# Altium PCB CL-HC-M-V2.1gerber.PcbDoc (part 13 of 18) (continued)
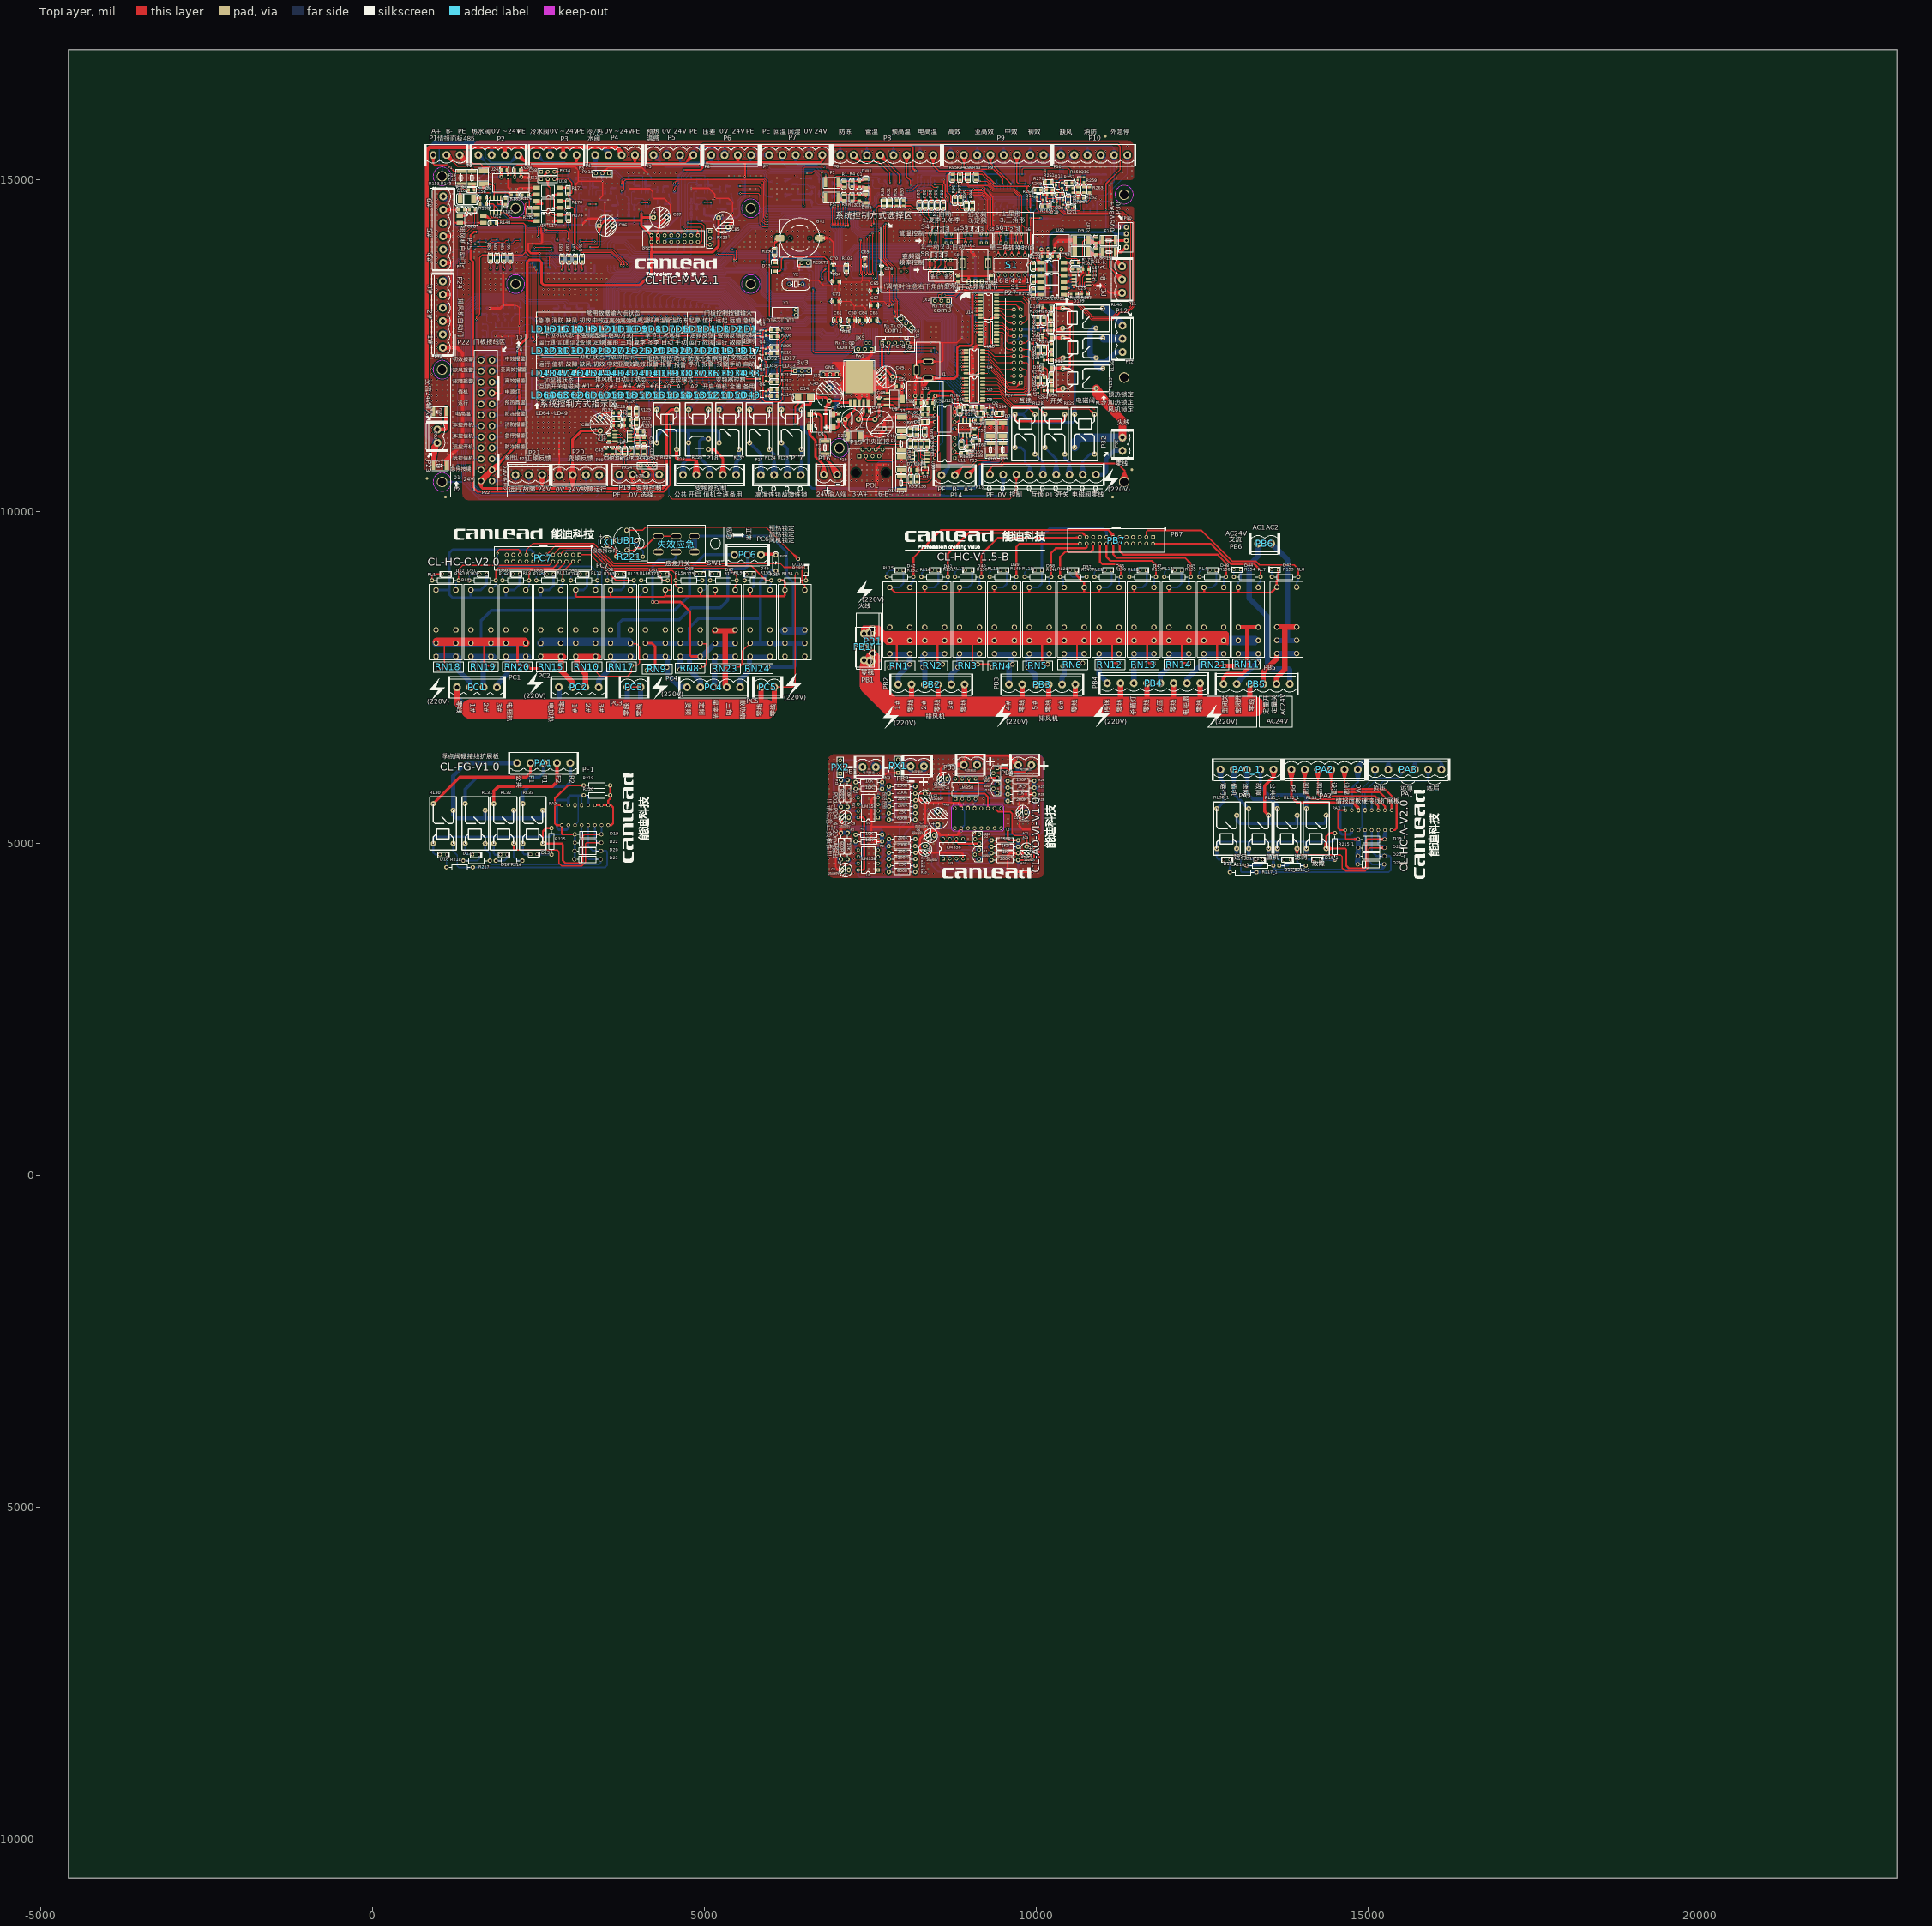
[diagram p0: TopLayer view]
## Nets (pads, with @x,y where several pads share a name; then routed paths per layer and width w, separated by ;. In a path a pad name is that pad's centre, name@x,y a point inside that pad or via, vN(x,y) a via of type N, cw(c..) or ccw(c..) an arc to the next point about the centre after c; other vN are vias at no path point) (continued)
NetC34_1: C34.1 R132.2 R135.1 U6.6 | length 2051.5
  TopLayer w15: v1(5004.76,14659.71) v1(5100.35,14659.71)
  BottomLayer w15: R135.1@4874.38,14624.3 C34.1@4877.3,14558.01 ; C34.1@4874.42,14543.25 R135.1@4886.86,14607.05 ; R135.1@4874.72,14620.71 C34.1@4896.43,14558.01 ; R132.2@4884.14,14813.73 4858.17,14825.93 ; R132.2@4884.14,14838.13 4858.17,14825.93 ; R135.1@4884.17,14616.47 4857.87,14628.67 ; R135.1@4884.17,14640.88 4857.87,14628.67 ; C34.1@4886.86,14537.05 R135.1@4886.86,14628.67 ; C34.1@4886.86,14542.05 R135.1@4886.86,14607.05 ; R132.2@4886.86,14825.93 4858.17,14825.93 ; R135.1@4888.78,14616.32 4927.53,14628.67 ; R135.1@4888.78,14641.02 4927.53,14628.67 ; R135.1@4899.01,14620.71 C34.1@4877.3,14558.01 ; C34.1@4899.31,14543.25 R135.1@4886.86,14607.05 ; R135.1@4899.35,14624.3 C34.1@4896.43,14558.01 ; U6.6@5101.86,14579.25 v1@5101.86,14658.2 ; U6.6@5101.86,14602.13 v1(5100.35,14659.71) ; 4857.87,14628.67 4845.43,14641.11 4845.43,14813.19 4858.17,14825.93 ; 4857.87,14628.67 R135.1@4886.86,14628.67 ; C34.1@4877.3,14558.01 R135.1@4886.86,14623.67 ; C34.1@4886.86,14558.67 4899.31,14622.47 C34.1@4886.86,14558.67 ; C34.1@4886.86,14558.67 4874.42,14622.47 C34.1@4886.86,14558.67 ; C34.1@4886.86,14558.67 R135.1@4886.86,14623.67 ; C34.1@4886.86,14558.67 R135.1@4886.86,14623.67 ; R135.1@4886.86,14623.67 C34.1@4896.43,14558.01 ; R135.1@4886.86,14628.67 4927.53,14628.67 ; 4927.53,14628.67 4958.57,14659.71 ; 4958.57,14659.71 v1(5004.76,14659.71) 4958.57,14659.71 ; v1(5100.35,14659.71) v1@5101.86,14658.2 ; v1(5100.35,14659.71) 5101.86,14607.25 v1@5101.86,14658.2
NetC35_1: C35.1 R133.2 R138.1 U7.2 | length 2902.1
  TopLayer w15: U7.2@3874.97,11113.14 R138.1@3991.65,11113.14 ; 3961.09,11105.44 U7.2@3902.97,11113.14 ; 3961.09,11120.83 U7.2@3902.97,11113.14 ; R138.1@3974.15,11113.43 R133.2@3981.9,11178.11 ; R133.2@3979.21,11191.93 R138.1@3991.65,11128.14 ; R138.1@3984.33,11115.24 R133.2@4001.4,11178.11 ; R138.1@3985.45,11100.69 3921.65,11113.14 ; R138.1@3985.45,11125.58 3921.65,11113.14 ; R133.2@3991.65,11193.14 R138.1@3991.65,11128.14 ; R133.2@3991.65,11198.14 R138.1@3991.65,11113.14 ; R138.1@3996.33,11100.64 4062.39,11105.19 ; R138.1@3996.33,11125.63 4062.39,11121.08 ; R138.1@3998.97,11115.24 R133.2@3981.9,11178.11 ; R138.1@3999.31,11100.92 4062.39,11121.08 ; R138.1@3999.31,11125.35 4062.39,11105.19 ; R133.2@4004.09,11191.93 R138.1@3991.65,11128.14 ; R138.1@4009.15,11113.43 R133.2@4001.4,11178.11 ; C35.1@4085.45,11100.69 4021.65,11113.14 ; C35.1@4085.45,11125.58 4021.65,11113.14 ; C35.1@4086.65,11113.14 4021.65,11113.14 ; C35.1@4091.65,11113.14 R138.1@3991.65,11113.14 ; U7.2@3902.97,11113.14 3921.65,11113.14 ; U7.2@3902.97,11113.14 3921.65,11113.14 ; U7.2@3902.97,11113.14 3959.97,11113.14 U7.2@3902.97,11113.14 ; U7.2@3902.97,11113.14 3921.65,11113.14 ; 3921.65,11113.14 3986.65,11113.14 R133.2@3981.9,11178.11 ; R138.1@3991.65,11113.14 R133.2@3991.65,11178.14 ; R133.2@3991.65,11178.14 3979.21,11114.34 R133.2@3991.65,11178.14 ; R133.2@3991.65,11178.14 4004.09,11114.34 R133.2@3991.65,11178.14 ; R138.1@3996.65,11113.14 4061.65,11113.14 ; R138.1@3996.65,11113.14 4062.39,11105.19 ; R138.1@3996.65,11113.14 4021.65,11113.14 ; R138.1@3996.65,11113.14 4062.39,11121.08 ; R138.1@3996.65,11113.14 4021.65,11113.14 ; R138.1@3996.65,11113.14 4061.65,11113.14 ; R138.1@3996.65,11113.14 4021.65,11113.14 ; R138.1@3996.65,11113.14 R133.2@4001.4,11178.11 ; R138.1@3999.77,11101.03 4021.65,11113.14 ; R138.1@3999.77,11101.03 4021.65,11113.14 ; R138.1@3999.77,11101.03 4021.65,11113.14 ; R138.1@3999.77,11125.24 4021.65,11113.14 ; R138.1@3999.77,11125.24 4021.65,11113.14 ; R138.1@3999.77,11125.24 4021.65,11113.14 ; 4061.65,11113.14 3997.85,11125.58 4061.65,11113.14 ; 4061.65,11113.14 3997.85,11100.69 4061.65,11113.14
NetC36_1: C36.1 R134.2 R136.1 U7.6 | length 2051.5
  TopLayer w15: C36.1@3612.77,10948.14 R136.1@3704.39,10948.14 ; C36.1@3617.77,10948.14 R136.1@3682.77,10948.14 ; C36.1@3618.97,10935.69 R136.1@3682.77,10948.14 ; C36.1@3618.97,10960.58 R136.1@3682.77,10948.14 ; U7.6@3654.97,11163.14 v1@3733.92,11163.14 ; U7.6@3677.86,11163.14 v1(3735.43,11161.63) ; R136.1@3692.04,10950.06 3704.39,10988.8 ; R136.1@3692.19,10945.44 3704.39,10919.14 ; R136.1@3696.43,10935.99 C36.1@3633.73,10957.7 ; R136.1@3696.43,10960.28 C36.1@3633.73,10938.57 ; R136.1@3700.02,10935.65 C36.1@3633.73,10938.57 ; R136.1@3700.02,10960.62 C36.1@3633.73,10957.7 ; R136.1@3716.6,10945.44 3704.39,10919.14 ; R136.1@3716.74,10950.06 3704.39,10988.8 ; R134.2@3889.45,10945.41 3901.65,10919.44 ; R134.2@3901.65,10948.14 3901.65,10919.44 ; R134.2@3913.85,10945.41 3901.65,10919.44 ; C36.1@3633.73,10938.57 R136.1@3699.39,10948.14 ; C36.1@3633.73,10957.7 R136.1@3699.39,10948.14 ; C36.1@3634.39,10948.14 3698.19,10935.69 C36.1@3634.39,10948.14 ; C36.1@3634.39,10948.14 3698.19,10960.58 C36.1@3634.39,10948.14 ; C36.1@3634.39,10948.14 R136.1@3699.39,10948.14 ; C36.1@3634.39,10948.14 R136.1@3699.39,10948.14 ; 3704.39,10919.14 R136.1@3704.39,10948.14 ; 3704.39,10919.14 3716.83,10906.7 3888.91,10906.7 3901.65,10919.44 ; R136.1@3704.39,10948.14 3704.39,10988.8 ; 3704.39,10988.8 3735.43,11019.84 ; v1@3733.92,11163.14 v1(3735.43,11161.63) ; v1@3733.92,11163.14 3682.97,11163.14 v1(3735.43,11161.63) ; 3735.43,11019.84 v1(3735.43,11066.03) 3735.43,11019.84
  BottomLayer w15: v1(3735.43,11066.03) v1(3735.43,11161.63)
NetC72_1: C72.1 U33.9 Y1.1 | length 1234.6
  BottomLayer w10: Y1.1@6378.31,13039.29 6453.96,13039.29 6484.84,13008.41 U33.9@6841.28,13008.41 ; Y1.1@6380.08,13024.87 6437.83,13039.29 ; Y1.1@6380.08,13053.71 6437.83,13039.29 ; Y1.1@6383.36,13015.29 6437.83,13039.29 ; Y1.1@6383.36,13063.29 6437.83,13039.29 ; 6776.28,13008.41 U33.9@6811.03,13008.41
  BottomLayer w15: C72.1@6246.19,13039.87 6377.73,13039.87 Y1.1@6378.31,13039.29 6303.78,13039.87 ; C72.1@6247.39,13027.43 6311.19,13039.87 C72.1@6247.39,13052.31 ; Y1.1@6374.88,13017.53 6303.78,13039.87 ; Y1.1@6375.22,13061.1 6303.78,13039.87
NetC73_1: C73.1 U33.8 Y1.2 | length 1119.5
  BottomLayer w10: Y1.2@6378.31,12960.29 6456.81,12960.29 6485.24,12988.72 U33.8@6841.28,12988.72 ; Y1.2@6380.08,12945.87 6437.83,12960.29 ; Y1.2@6380.08,12974.71 6437.83,12960.29 ; Y1.2@6383.36,12936.29 6437.83,12960.29 ; Y1.2@6383.36,12984.29 6437.83,12960.29 ; 6776.28,12988.72 U33.8@6811.03,12988.72
  BottomLayer w15: C73.1@6246.19,12944.87 6310.4,12944.87 ; C73.1@6247.4,12932.43 6310.4,12944.87 ; C73.1@6247.4,12957.31 6310.4,12944.87 ; Y1.2@6373.68,12938.76 6325.83,12960.29 ; Y1.2@6373.68,12981.83 6325.83,12960.29 ; Y1.2@6378.31,12960.29 6325.83,12960.29 ; 6310.4,12944.87 6325.83,12960.29
NetC79_1: C79.1 R188.2 U33.23 Y2.1 | length 2102.7
  BottomLayer w10: C79.1@6245.92,13530.86 6260.65,13494.44 ; Y2.1@6247.37,13434.92 6277.39,13477.7 ; Y2.1@6256.45,13429.82 6277.39,13477.7 ; C79.1@6260.65,13533.72 6260.65,13494.44 ; Y2.1@6261.5,13396.85 6341.02,13364.95 ; C79.1@6262.79,13523.88 6310.65,13538.37 ; C79.1@6263,13553.54 6310.65,13538.37 ; Y2.1@6265.83,13406.03 6341.02,13364.95 ; Y2.1@6266.11,13426.68 6277.39,13477.7 ; Y2.1@6271.16,13414.56 6341.02,13364.95 ; C79.1@6275.37,13530.86 6260.65,13494.44 ; Y2.1@6291.41,13434.81 6341.02,13364.95 ; Y2.1@6294.53,13428.34 6277.39,13477.7 ; Y2.1@6299.94,13440.14 6341.02,13364.95 ; Y2.1@6303.76,13432.59 6277.39,13477.7 ; Y2.1@6309.12,13444.47 6341.02,13364.95 ; Y2.1@6312.18,13438.71 6277.39,13477.7 ; R188.2@6337.64,13523.54 6289.89,13538.37 R188.2@6337.64,13553.2 ; R188.2@6339.89,13538.37 6261,13538.37 C79.1@6260.65,13538.72 ; 6776.28,13284 U33.23@6811.03,13284 ; U33.23@6841.28,13284 6581.68,13284 6528.84,13336.84 6369.13,13336.84 Y2.1@6280.44,13425.53 ; 6260.65,13494.44 6277.39,13477.7 ; 6260.65,13494.44 C79.1@6260.65,13538.72 ; C79.1@6260.65,13538.72 6310.65,13538.37 ; 6277.39,13477.7 6277.39,13428.58 Y2.1@6280.44,13425.53 ; 6277.39,13477.7 Y2.1@6280.44,13425.53
NetC81_1: C81.1 R188.1 U33.24 Y2.2 | length 1890.7
  BottomLayer w10: R188.1@6427.03,13553.21 6474.89,13538.72 ; R188.1@6427.24,13523.55 6474.89,13538.72 ; Y2.2@6448.69,13438.71 6483.49,13477.7 ; Y2.2@6457.11,13432.59 6483.49,13477.7 ; Y2.2@6461.5,13396.85 6541.02,13364.95 ; Y2.2@6465.83,13406.03 6541.02,13364.95 ; Y2.2@6466.34,13428.34 6483.49,13477.7 ; Y2.2@6471.16,13414.56 6541.02,13364.95 ; C81.1@6485.5,13530.86 6500.22,13494.44 ; Y2.2@6491.41,13434.81 6541.02,13364.95 ; Y2.2@6494.76,13426.68 6483.49,13477.7 ; C81.1@6497.97,13523.89 6450.22,13538.72 C81.1@6497.97,13553.55 ; Y2.2@6499.94,13440.14 6541.02,13364.95 ; C81.1@6500.22,13533.72 6500.22,13494.44 ; Y2.2@6504.42,13429.82 6483.49,13477.7 ; Y2.2@6509.12,13444.47 6541.02,13364.95 ; Y2.2@6513.5,13434.92 6483.49,13477.7 ; C81.1@6514.95,13530.86 6500.22,13494.44 ; 6776.28,13303.68 U33.24@6811.03,13303.68 ; U33.24@6841.28,13303.68 6602.29,13303.68 Y2.2@6480.44,13425.53 ; 6474.89,13538.72 R188.1@6424.89,13538.37 6425.24,13538.72 C81.1@6500.22,13538.72 6500.22,13494.44 ; Y2.2@6480.44,13425.53 6483.49,13428.58 6483.49,13477.7 ; Y2.2@6480.44,13425.53 6483.49,13477.7 ; 6483.49,13477.7 6500.22,13494.44
NetD1_1: D1.1 F7.2 | length 585.4
  TopLayer w40: D1.1@6590.13,11466.78 6727.59,11466.78 6767.47,11426.9 6767.47,11189.95 6822.38,11135.04 F7.2@6822.38,11058.15
NetD2_K: D2.K F9.2 R58.2 R59.2 U10.6 | length 1871.1
  TopLayer w15: D2.K@7940.75,10616.48 v1(7967.38,10568.36) ; F9.2@7951.38,10521.37 7967.38,10458.04 ; F9.2@7951.51,10526.25 v1(7967.38,10568.36) ; D2.K@7954.96,10621.94 v1(7967.38,10568.36) ; D2.K@7967.38,10623.36 v1(7967.38,10568.36) ; D2.K@7979.79,10621.94 v1(7967.38,10568.36) ; F9.2@7983.24,10526.25 v1(7967.38,10568.36) ; F9.2@7983.37,10521.37 7967.38,10458.04 ; D2.K@7994,10616.48 v1(7967.38,10568.36) ; R58.2@8087.63,10973.86 8099.85,10946.68 ; U10.6@8104.38,10843.36 8081.75,10843.36 ; R59.2@8106.17,10430.92 8042.38,10443.36 ; R59.2@8106.17,10455.8 8042.38,10443.36 ; R59.2@8107.38,10443.36 8042.38,10443.36 ; R58.2@8112.08,10973.86 8099.85,10946.68 ; R59.2@8112.38,10443.36 7982.06,10443.36 7967.38,10458.04 ; 7967.38,10458.04 F9.2@7967.38,10523.36 v1(7967.38,10568.36) ; 8081.75,10843.36 8067.38,10857.73 8067.38,10914.2 8099.85,10946.68 ; 8081.75,10843.36 U10.6@8132.38,10843.36 ; 8099.85,10946.68 R58.2@8099.85,10976.48 8099.85,10946.68 ; U10.6@8132.38,10843.36 v1@8187.76,10843.36 ; U10.6@8132.38,10843.36 v1(8188.53,10842.59) ; v1@8187.76,10843.36 v1(8188.53,10842.59) ; v1@8187.76,10843.36 8160.38,10843.36 v1(8188.53,10842.59)
  BottomLayer w15: v1(7967.38,10568.36) 8023.41,10568.36 8162.38,10707.32 8162.38,10816.43 ; 8162.38,10816.43 v1(8188.53,10842.59) 8162.38,10816.43
NetD3_K: D3.K F8.2 R58.1 R60.2 U10.7 | length 3073.1
  TopLayer w15: D3.K@7939.37,11212.92 7966.46,11137.65 ; F8.2@7950.34,11113.1 7959.51,11181.75 ; F8.2@7950.45,11111.01 7950.4,11182.28 ; F8.2@7950.45,11114.74 7966.46,11181.47 F8.2@7982.47,11114.74 ; F8.2@7950.72,11116.32 7973.42,11181.75 ; F8.2@7951.27,11118.23 7982.53,11182.28 ; D3.K@7954,11216.67 7966.46,11137.65 ; D3.K@7966.46,11217.65 F8.2@7966.46,11112.85 ; 7966.94,11158.84 R60.2@8099.85,11158.84 ; D3.K@7978.92,11216.67 7966.46,11137.65 ; F8.2@7981.66,11118.23 7950.4,11182.28 ; F8.2@7982.21,11116.32 7959.51,11181.75 ; F8.2@7982.48,11111.01 7982.53,11182.28 ; F8.2@7982.58,11113.1 7973.42,11181.75 ; D3.K@7993.55,11212.92 7966.46,11137.65 ; R60.2@8093.65,11146.39 8029.85,11158.84 ; R60.2@8093.65,11171.28 8029.85,11158.84 ; R60.2@8094.85,11158.84 8029.85,11158.84 ; U10.7@8104.38,10793.36 v1(8071.54,10793.36) U10.7@8132.38,10793.36 ; 7950.4,11182.28 F8.2@7966.46,11112.85 ; F8.2@7951.22,11118.09 7966.46,11137.65 ; F8.2@7951.22,11118.09 7966.46,11137.65 ; F8.2@7951.22,11118.09 7966.46,11137.65 ; F8.2@7951.22,11118.09 7966.46,11137.65 ; 7959.51,11181.75 F8.2@7966.46,11112.85 ; F8.2@7966.46,11112.85 7982.53,11182.28 ; F8.2@7966.46,11112.85 7966.46,11137.65 ; F8.2@7966.46,11112.85 7966.46,11137.65 ; F8.2@7966.46,11112.85 7973.42,11181.75 ; F8.2@7966.46,11112.85 7966.46,11137.65 ; F8.2@7966.46,11112.85 7966.46,11137.65 ; 7966.46,11137.65 F8.2@7981.71,11118.09 ; 7966.46,11137.65 F8.2@7981.71,11118.09 ; 7966.46,11137.65 F8.2@7981.71,11118.09 ; 7966.46,11137.65 F8.2@7981.71,11118.09 ; v1(8096.23,11108.36) v1@8099.85,11108.36 ; v1(8096.23,11108.36) R58.1@8099.85,11061.48 v1@8099.85,11108.36 ; v1(8096.23,11108.36) R60.2@8099.85,11158.84 ; v1(8096.23,11108.36) 8112.26,11157.29 v1@8099.85,11108.36 ; v1(8096.23,11108.36) 8112.24,11063.15 v1@8099.85,11108.36 ; v1(8096.23,11108.36) 8087.45,11157.29 v1@8099.85,11108.36 ; v1(8096.23,11108.36) 8087.46,11063.15 v1@8099.85,11108.36 ; v1@8099.85,11108.36 R60.2@8099.85,11158.84
  BottomLayer w15: v1(8071.54,10793.36) 8071.54,11083.66 ; 8071.54,11083.66 v1(8096.23,11108.36) 8071.54,11083.66
NetD4_K: D4.K R61.1 | length 379.4
  TopLayer w20: D4.K@8192.38,11238.69 R61.1@8321.76,11238.69 ; D4.K@8193.7,11223.75 8277.38,11238.69 D4.K@8193.7,11253.64 ; 8236.76,11238.69 R61.1@8316.76,11238.69
NetD5_A: D5.A Q2.1@9301.04,11563.66 R164.2@9403.75,11476.82 U13.2 U13.3 | length 1221.5
  TopLayer w15: 8949.03,11426.27 8944.59,11430.71 8944.59,11469.62 8996.13,11521.16 9179.88,11521.16 9181.04,11522.32 ; D5.A@9163.93,11559.96 9181.04,11522.32 ; D5.A@9198.14,11559.96 9181.04,11522.32 ; 9181.04,11522.32 D5.A@9181.04,11563.66 9181.04,11522.32
  TopLayer w20: U13.3@8899.03,11368.36 8899.03,11425.23 ; U13.3@8899.03,11396.36 8899.03,11425.23 ; 8944.59,11430.71 8904.52,11430.71 8899.03,11425.23 ; U13.2@8949.03,11368.36 8949.03,11426.27 U13.2@8949.03,11396.36 ; D5.A@9181.04,11563.66 Q2.1@9301.04,11563.66 9380.87,11563.66 9394.37,11550.16 ; D5.A@9182.36,11548.72 9266.04,11563.66 D5.A@9182.36,11578.6 ; R164.2@9394.37,11476.82 9394.37,11550.16 ; R164.2@9403.75,11481.82 9394.37,11550.16
NetD5_K: D5.K R166.1 | length 952.5
  TopLayer w15: R166.1@9008.65,11563.66 D5.K@9101.04,11563.66 ; R166.1@9009.86,11551.22 9073.65,11563.66 ; R166.1@9009.86,11576.1 9073.65,11563.66 ; D5.K@9096.84,11546.67 9030.57,11572.06 ; D5.K@9096.84,11580.65 9030.57,11555.26 ; D5.K@9098.85,11546.3 9031.04,11563.66 D5.K@9098.85,11581.02 ; D5.K@9100.95,11546.16 9030.57,11555.26 ; D5.K@9100.95,11581.16 9030.57,11572.06 ; 9030.57,11555.26 D5.K@9101.04,11563.66 ; 9030.57,11572.06 D5.K@9101.04,11563.66 ; 9073.65,11563.66 9095.45,11547.08 9073.65,11563.66 ; 9073.65,11563.66 9095.45,11580.24 9073.65,11563.66 ; 9073.65,11563.66 D5.K@9101.04,11563.66 ; 9073.65,11563.66 D5.K@9101.04,11563.66
NetD6_K: D6.K F10.2 R168.1 R169.2 U13.7 | length 1502
  TopLayer w20: R169.2@8960.76,10968.36 v1(8960.76,11095.67) ; R169.2@8960.76,10973.36 8960.76,11053.36 ; 8960.76,11023.17 v1(8960.76,11095.67) ; 8949.03,11107.39 v1(8960.76,11095.67) ; 8949.03,11107.39 U13.7@8949.03,11148.36 v1(8960.76,11095.67) ; 8949.03,11107.39 U13.7@8949.03,11120.36 ; 8949.03,11107.39 U13.7@8949.03,11120.36 ; U13.7@8949.03,11120.36 v1(8960.76,11095.67) ; U13.7@8949.03,11120.36 v1(8960.76,11095.67) ; U13.7@8949.03,11120.36 v1(8960.76,11095.67) ; U13.7@8949.03,11120.36 v1(8960.76,11095.67)
  TopLayer w30: D6.K@9293.18,11131.83 v1(9312.92,11073.51) ; F10.2@9312.92,11027.85 v1(9312.92,11073.51) ; D6.K@9312.92,11135.08 v1(9312.92,11073.51) ; D6.K@9332.65,11131.83 v1(9312.92,11073.51) ; R168.1@8874.29,10963.36 8955.76,10963.36 8879.29,10963.36 R169.2@8960.76,10968.36 R168.1@8874.29,10963.36
  BottomLayer w15: v1(8960.76,11095.67) 9134,11095.67 9156.15,11073.51 v1(9312.92,11073.51) 9255.42,11073.51
NetD7_K: D7.K F11.2 R167.2 R168.2 U13.6 | length 1412
  TopLayer w20: U13.6@8899.03,11120.36 v1(8874.29,11087.58) ; U13.6@8899.03,11148.36 8899.03,11112.33 v1(8874.29,11087.58) ; v1(8874.29,11087.58) R168.2@8874.29,11048.36 v1(8874.29,11087.58) ; v1(8999.24,11058.15) R167.2@9048.56,11058.15 v1(8999.24,11058.15)
  TopLayer w30: D7.K@9478.73,11131.41 v1(9498.46,11074.3) ; F11.2@9498.46,11027.48 v1(9498.46,11074.3) ; D7.K@9498.46,11134.72 v1(9498.46,11074.3) ; D7.K@9518.18,11131.41 v1(9498.46,11074.3)
  BottomLayer w15: v1(8874.29,11087.58) 8874.29,11121.71 8886.46,11133.88 9326.55,11133.88 9386.13,11074.3 v1(9498.46,11074.3)
  BottomLayer w20: v1(8874.29,11087.58) 8900.26,11087.58 8929.69,11058.15 ; 8929.69,11058.15 v1(8999.24,11058.15) 8929.69,11058.15
NetD8_K: D8.K F12.2 R184.1 R185.2 U22.7 | length 2090.5
  TopLayer w20: F12.2@1487.27,14930.83 R184.1@1534.6,14846.7 ; F12.2@1491.12,14923.99 R184.1@1534.6,14851.7 ; F12.2@1499.59,14936.66 R184.1@1534.6,14846.7 ; F12.2@1503.11,14927.61 R184.1@1534.6,14851.7 ; F12.2@1512.6,14940.69 R184.1@1534.6,14846.7 ; F12.2@1515.07,14930.12 R184.1@1534.6,14851.7 ; F12.2@1534.6,14931.7 R184.1@1534.6,14851.7 ; F12.2@1534.6,14941.87 R184.1@1534.6,14846.7 ; D8.K@1647.86,14925.74 1672.38,14866.72 ; D8.K@1696.89,14925.74 1672.38,14866.72 ; D8.K@1704.3,14930.63 1799.3,14930.63 ; D8.K@1707.59,14905.84 1799.3,14930.63 ; D8.K@1707.59,14955.41 1799.3,14930.63 ; U22.7@1829.78,14725.9 1829.78,14802.15 ; U22.7@1829.78,14753.9 1829.78,14802.15 ; R185.2@2091.49,14774.93 2036.47,14802.15 ; R184.1@1534.6,14846.7 1652.35,14846.7 1672.38,14866.72 ; 1672.38,14866.72 D8.K@1672.38,14930.63 1805.91,14930.63 1829.78,14906.76 1829.78,14802.15 ; 1829.78,14802.15 2036.47,14802.15 ; 2036.47,14802.15 2068.68,14769.93 ; 2068.68,14769.93 R185.2@2091.49,14769.93 2068.68,14769.93
NetD9_K: D9.K F13.2 R186.1 R187.2 U23.7 | length 2517.4
  TopLayer w15: D9.K@10770.5,14065.03 10727.59,14091.48 ; D9.K@10770.5,14117.94 10727.59,14091.48 ; D9.K@10776.45,14079.08 10727.59,14091.48 ; D9.K@10776.45,14103.89 10727.59,14091.48 ; D9.K@10778,14091.48 10727.59,14091.48 ; U23.7@10790.81,13510.1 10856.2,13510.1 ; U23.7@10818.81,13510.1 10856.2,13510.1 ; 10727.59,14091.48 10700.41,14064.31 10700.41,13839.31 10870.41,13669.31 10870.41,13524.31 10856.2,13510.1
  TopLayer w25: D9.K@10772.86,14069.58 R187.2@10905.66,14049.99 ; D9.K@10778,14091.48 R187.2@10905.66,14049.99 ; D9.K@10786.73,14112.22 R187.2@10905.66,14049.99 ; D9.K@10787.29,14049.99 10999.18,14049.99 10905.45,14045.98 F13.2@10996.04,14082.54 ; D9.K@10800.25,14049.99 R187.2@10895.45,14045.98 ; D9.K@10801.57,14065.34 R187.2@10895.45,14045.98 ; D9.K@10805.17,14082.65 R187.2@10895.45,14045.98 ; D9.K@10810.85,14099.6 R187.2@10895.45,14045.98 ; R187.2@10887.85,14049.99 F13.2@11004.18,14084.99 ; R186.1@10898.48,13956.75 R186.1@10900.45,13958.72 ; R186.1@10900.45,13958.72 R187.2@10900.45,14045.98 R186.1@10900.45,13958.72
NetD10_K: D10.K F14.2 R182.1 R184.2 U22.6 | length 1956.1
  TopLayer w20: D10.K@1296.43,14743.79 1315.62,14823.08 ; D10.K@1321.34,14709.77 1315.62,14715.5 1315.62,14823.08 ; D10.K@1321.34,14741.7 1315.62,14823.08 ; F14.2@1322.22,14934.09 1344.32,14852.13 ; F14.2@1335.62,14936.57 1344.32,14852.13 ; F14.2@1344.32,14936.57 1344.32,14851.78 ; D10.K@1345.72,14747.26 1315.62,14823.08 ; F14.2@1349.24,14936.87 1344.32,14852.13 ; 1369.05,14851.78 R184.2@1449.6,14846.7 ; R184.2@1449.6,14841.7 1449.6,14806.49 ; v1(1768.77,14801.7) 1454.39,14801.7 1449.6,14806.49 ; U22.6@1879.78,14697.9 v1(1879.78,14660.91) ; U22.6@1879.78,14725.9 v1(1879.78,14660.91) ; 1917.4,14629.18 R182.1@1997.4,14629.18 ; R182.1@2002.4,14629.18 1898.61,14629.18 ; 1315.62,14823.08 1344.32,14851.78 ; 1344.32,14851.78 1444.52,14851.78 R184.2@1449.6,14846.7 ; 1449.6,14806.49 R184.2@1449.6,14846.7 ; 1879.78,14648.01 1898.61,14629.18 ; 1879.78,14648.01 v1(1879.78,14660.91) ; 1879.78,14648.01 v1(1879.78,14660.91) ; 1879.78,14648.01 v1(1879.78,14660.91) ; v1(1879.78,14660.91) 1898.61,14629.18
  BottomLayer w20: v1(1768.77,14801.7) 1864.67,14801.7 1879.78,14786.6 v1(1879.78,14660.91)
NetD11_K: D11.K F15.2 R183.1 R186.2 U23.6 | length 2405.2
  TopLayer w15: D11.K@10751.42,13878.19 10778,13831.72 ; R183.1@10761.9,13279.45 10774.2,13312.71 ; U23.6@10762.81,13460.1 10733.75,13460.1 ; D11.K@10765.59,13883.79 10778,13831.72 ; R183.1@10774.2,13272.25 10774.2,13312.71 ; R183.1@10774.2,13277.25 10774.2,13312.71 ; D11.K@10778,13871.45 10778,13831.72 ; D11.K@10778,13885.25 10778,13831.72 ; R183.1@10786.51,13279.45 10774.2,13312.71 ; D11.K@10790.42,13883.79 10778,13831.72 ; D11.K@10804.58,13878.19 10778,13831.72 ; U23.6@10818.81,13460.1 10875.81,13460.1 ; 10733.75,13460.1 U23.6@10790.81,13460.1 10876.2,13460.1 10898.48,13482.37 10898.48,13711.24 10778,13831.72 ; 10733.75,13460.1 10726.14,13452.5 10726.14,13360.77 10774.2,13312.71
  TopLayer w25: D11.K@10771.97,13895.5 R186.2@10900.41,13871.45 ; D11.K@10778,13871.45 R186.2@10900.41,13871.45 ; D11.K@10778,13917.18 R186.2@10900.41,13871.45 ; D11.K@10787.66,13937.5 R186.2@10900.41,13871.45 ; D11.K@10800.38,13871.45 R186.2@10895.45,13873.72 ; D11.K@10801.34,13890 R186.2@10895.45,13873.72 ; D11.K@10804.55,13907.26 R186.2@10895.45,13873.72 ; D11.K@10809.92,13924.46 R186.2@10895.45,13873.72 ; R186.2@10905.45,13873.72 10965.97,13873.72 ; F15.2@11003.7,13868.15 10965.97,13873.72 ; F15.2@11003.7,13911.45 10965.97,13873.72 ; R186.2@10900.41,13871.45 R186.2@10900.45,13873.72 10965.97,13873.72
NetD13_2: D13.2 R190.1 | length 288.1
  TopLayer w20: D13.2@6045.52,13752.45 6060.46,13836.13 D13.2@6075.4,13752.45 ; D13.2@6060.46,13751.13 R190.1@6060.46,13869.25
NetD15_K: 
NetD16_K: 
NetD17_K: 
NetD18_K: 
NetD37_K: D37.K R147.1@10760.17,9016.56 | length 332.8
  BottomLayer w20: D37.K@10509.64,9116.19 10509.64,9046.19 10539.28,9016.56 R147.1@10760.17,9016.56
NetD38_K: D38.K R148.1@9826.54,9016.19 | length 242.4
  BottomLayer w20: R148.1@9826.54,9016.19 9826.54,9086.19 9856.54,9116.19 D38.K@9986.54,9116.19
NetD39_K: D39.K R149.1@9300.38,9015.82 | length 242.4
  BottomLayer w20: R149.1@9300.91,9016.19 9300.91,9086.19 9330.91,9116.19 D39.K@9460.91,9116.19
NetD40_K: D40.K R150.1@8774.75,9015.82 | length 242.4
  BottomLayer w20: R150.1@8775.28,9016.19 8775.28,9086.19 8805.28,9116.19 D40.K@8935.28,9116.19
NetD41_K: D41.K R151.1@8269.64,9015.82 | length 226.6
  BottomLayer w25: R151.1@8275.28,9016.19 8275.28,9076.19 8315.28,9116.19 D41.K@8425.28,9116.19
NetD42_K: D42.K R152.1@7749.64,9016.19 | length 226.6
  BottomLayer w25: R152.1@7749.64,9016.19 7749.64,9076.19 7789.65,9116.19 D42.K@7899.64,9116.19
NetD43_K: D43.K R153.1@13549.64,9016.56 | length 109.6
  BottomLayer w25: R153.1@13549.64,9016.56 D43.K@13549.64,9126.19
NetD44_K: D44.K R154.1@12979.64,9016.19 | length 110
  BottomLayer w20: R154.1@12979.64,9016.19 D44.K@12979.64,9126.19
NetD45_K: D45.K R155.1@11928.55,9015.82 | length 242.4
  BottomLayer w20: R155.1@11929.07,9016.19 11929.07,9086.19 11959.07,9116.19 D45.K@12089.07,9116.19
NetD46_K: D46.K R156.1@10877.81,9016.19 | length 242.4
  BottomLayer w20: R156.1@10877.81,9016.19 10877.81,9086.19 10907.81,9116.19 D46.K@11037.81,9116.19
NetD47_K: D47.K R157.1@11403.44,9016.19 | length 242.4
  BottomLayer w20: R157.1@11403.44,9016.19 11403.44,9086.19 11433.44,9116.19 D47.K@11563.44,9116.19
NetD48_K: D48.K R158.1@12459.64,9016.19 | length 242.4
  BottomLayer w20: R158.1@12454.7,9016.19 12454.7,9086.19 12484.7,9116.19 D48.K@12614.7,9116.19
NetD49_K: D49.K R159.1@5607.77,8963.17 | length 107.1
  BottomLayer w30: R159.1@5607.77,8963.17 5607.77,9024.52 D49.K@5640.11,9056.86
NetD50_K: D50.K R160.1@1957.77,8963.17 | length 239.1
  BottomLayer w20: R160.1@1957.77,8963.17 1957.77,9031.72 1982.91,9056.86 D50.K@2117.91,9056.86
NetD51_K: D51.K R161.1@1457.77,8963.17 | length 236.2
  BottomLayer w20: R161.1@1457.77,8963.17 1457.77,9026.72 1487.91,9056.86 D51.K@1617.91,9056.86
NetD52_K: D52.K R162.1@897.77,8963.17 | length 242
  TopLayer w20: R162.1@897.77,8963.17 897.77,9036.72 917.91,9056.86 D52.K@1057.91,9056.86
NetD53_K: D53.K R163.1@3537.77,8963.17 | length 226.2
  BottomLayer w20: R163.1@3537.77,8963.17 3537.77,9026.72 3567.91,9056.86 D53.K@3687.91,9056.86
NetD54_K: D54.K R164.1@2987.77,8963.17 | length 218.9
  BottomLayer w20: R164.1@2987.77,8963.17 2987.77,9021.72 3022.91,9056.86 D54.K@3133.55,9056.86
NetD55_K: D55.K R165.1@2467.77,8963.17 | length 230.3
  BottomLayer w20: R165.1@2467.77,8963.17 2467.77,9016.72 2507.91,9056.86 D55.K@2627.91,9056.86
NetD61_K: D61.K R171.1@4447.91,8963.17 | length 183.5
  TopLayer w20: D61.K@4337.91,9056.86 4337.91,8997.66 4372.4,8963.17 R171.1@4447.91,8963.17
NetD65_K: D65.K R175.1@4968.27,8963.17 | length 173
  BottomLayer w20: D65.K@4887.91,9061.86 4887.91,8973.49 4898.23,8963.17 R175.1@4968.27,8963.17
NetD67_K: D67.K R177.1@5087.91,8963.17 | length 111.7
  BottomLayer w20: R177.1@5087.91,8963.17 5087.91,9017.9 5117.18,9047.17 D67.K@5117.18,9062.78
NetD95_A: D95.A D96.K Q17.1 RL35.2 | length 1338.2
  TopLayer w20: D95.A@10099.38,12161.36 10141.38,12161.36 ; D95.A@10102.05,12146.6 10141.38,12161.36 ; D95.A@10102.05,12176.12 10141.38,12161.36 ; 10167.99,11824.97 10167.99,12134.74 10141.38,12161.36
  TopLayer w25: D96.K@10214.35,11821.36 10121.64,11821.36 10167.99,11824.97 Q17.1@10120.65,11821.36 D96.K@10226.39,11821.36 10370.73,11821.36 RL35.2@10404.37,11855 10282.07,11821.36 ; RL35.2@10394.53,11880 10282.07,11821.36 ; RL35.2@10408.71,11828.48 10282.07,11821.36
NetD96_A: D96.A R264.2 | length 168.9
  TopLayer w30: D96.A@10226.39,11901.36 10226.39,11983.36 R264.2@10228.39,11985.36 D96.A@10226.39,11901.36
NetD97_A: D97.A D98.K Q21.1 RL36.2 | length 1338.2
  TopLayer w20: D97.A@10099.38,12621.37 10141.38,12621.37 ; D97.A@10102.05,12606.61 10141.38,12621.37 ; D97.A@10102.05,12636.13 10141.38,12621.37 ; 10167.99,12284.99 10167.99,12594.76 10141.38,12621.37
  TopLayer w25: D98.K@10214.35,12281.37 10121.64,12281.37 10167.99,12284.99 Q21.1@10120.65,12281.37 D98.K@10226.39,12281.37 10370.73,12281.37 RL36.2@10404.37,12315.01 10282.07,12281.37 ; RL36.2@10394.53,12340.02 10282.07,12281.37 ; RL36.2@10408.71,12288.49 10282.07,12281.37
NetD98_A: D98.A R272.2 | length 82
  TopLayer w30: D98.A@10226.39,12361.37 R272.2@10226.39,12443.37
NetD109_A: D109.A D199.K Q22.1 RL40.2 | length 1338.2
  TopLayer w20: D109.A@10095.32,13067.82 10137.32,13067.82 ; D109.A@10098,13053.06 10137.32,13067.82 ; D109.A@10098,13082.58 10137.32,13067.82 ; 10163.94,12731.43 10163.94,13041.2 10137.32,13067.82
  TopLayer w25: D199.K@10210.3,12727.82 10117.58,12727.82 10163.94,12731.43 Q22.1@10116.6,12727.82 D199.K@10222.34,12727.82 10366.67,12727.82 RL40.2@10400.31,12761.46 10278.02,12727.82 ; RL40.2@10390.48,12786.46 10278.02,12727.82 ; RL40.2@10404.65,12734.94 10278.02,12727.82
NetD110_A: D110.A R292.2 | length 97.1
  TopLayer w20: R292.2@6531.3,8963.17 D110.A@6531.29,9060.31
NetD199_A: D199.A R285.2 | length 82
  TopLayer w30: D199.A@10222.34,12807.82 R285.2@10222.34,12889.82
NetDZ1_K: DZ1.K L1.1 Pw1.2 | length 1284.9
  TopLayer w35: L1.1@7100.62,11386.15 7122.38,11280.09 ; L1.1@7108,11404.84 7235.99,11501.97 L1.1@7138.86,11373.98 ; L1.1@7144.13,11386.15 7122.38,11280.09 ; DZ1.K@7153.77,11134.27 7153.77,11248.69 ; DZ1.K@7153.77,11166.2 7153.77,11248.69 ; Pw1.2@7264.81,11614.69 7264.81,11530.79 ; Pw1.2@7264.81,11642.84 7264.81,11530.79 ; 7122.38,11280.09 7153.77,11248.69 ; 7122.38,11280.09 L1.1@7122.38,11388.36 7264.81,11530.79